# KiCad board ws2812-clock.kicad_pcb (continued)
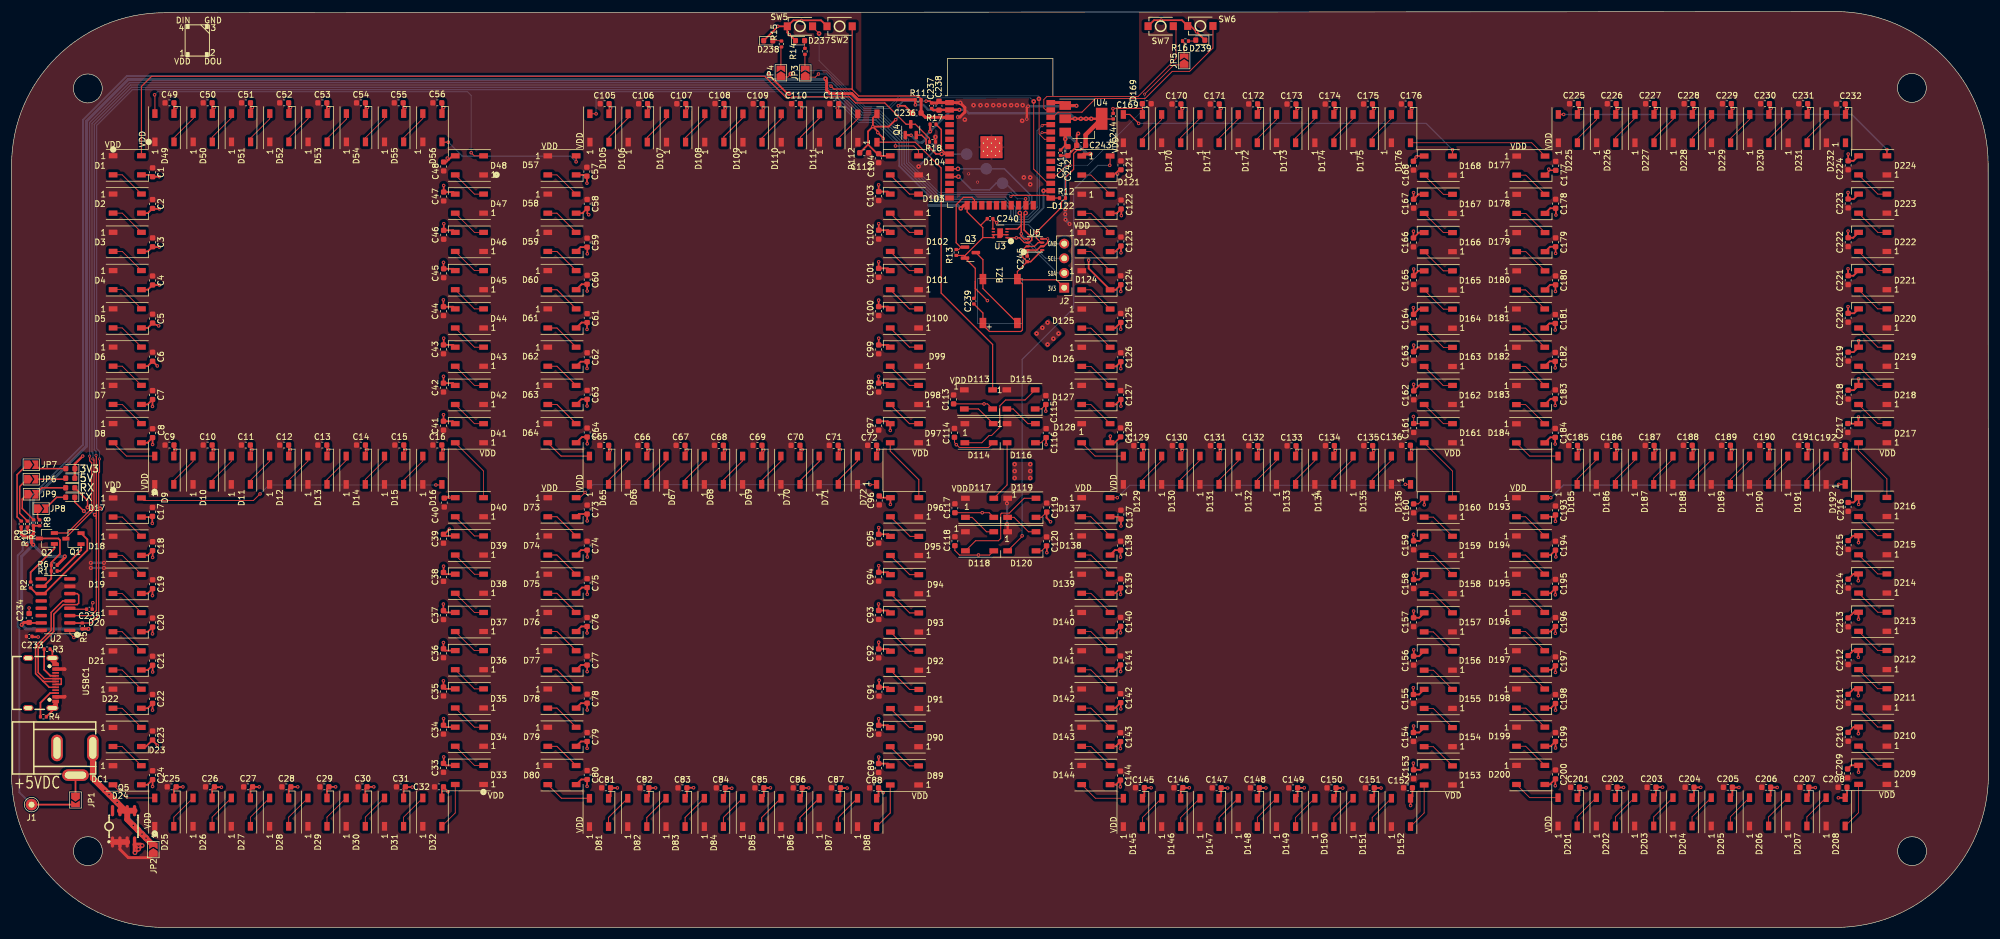
[diagram p0: board, top side]
## Placement (name value [footprint] x y rotation side) (continued)
D116  WS2812B  [LED_WS2812B_PLCC4_5.0x5.0mm_P3.2mm]  174.55 85.5 0 top
D117  WS2812B  [LED_WS2812B_PLCC4_5.0x5.0mm_P3.2mm]  167.35 72.6 0 top
D118  WS2812B  [LED_WS2812B_PLCC4_5.0x5.0mm_P3.2mm]  167.35 66.8 0 top
D119  WS2812B  [LED_WS2812B_PLCC4_5.0x5.0mm_P3.2mm]  174.65 72.6 0 top
D120  WS2812B  [LED_WS2812B_PLCC4_5.0x5.0mm_P3.2mm]  174.65 66.8 0 top
D121  WS2812B  [LED_WS2812B_PLCC4_5.0x5.0mm_P3.2mm]  187.46 131.82 0 top
D122  WS2812B  [LED_WS2812B_PLCC4_5.0x5.0mm_P3.2mm]  187.46 125.2 0 top
D123  WS2812B  [LED_WS2812B_PLCC4_5.0x5.0mm_P3.2mm]  187.46 118.58 0 top
D124  WS2812B  [LED_WS2812B_PLCC4_5.0x5.0mm_P3.2mm]  187.46 111.96 0 top
D125  WS2812B  [LED_WS2812B_PLCC4_5.0x5.0mm_P3.2mm]  187.46 105.34 0 top
D126  WS2812B  [LED_WS2812B_PLCC4_5.0x5.0mm_P3.2mm]  187.46 98.72 0 top
D127  WS2812B  [LED_WS2812B_PLCC4_5.0x5.0mm_P3.2mm]  187.45 92.12 0 top
D128  WS2812B  [LED_WS2812B_PLCC4_5.0x5.0mm_P3.2mm]  187.45 85.5 0 top
D129  WS2812B  [LED_WS2812B_PLCC4_5.0x5.0mm_P3.2mm]  193.85 79.1 90 top
D130  WS2812B  [LED_WS2812B_PLCC4_5.0x5.0mm_P3.2mm]  200.47 79.1 90 top
D131  WS2812B  [LED_WS2812B_PLCC4_5.0x5.0mm_P3.2mm]  207.09 79.1 90 top
D132  WS2812B  [LED_WS2812B_PLCC4_5.0x5.0mm_P3.2mm]  213.71 79.1 90 top
D133  WS2812B  [LED_WS2812B_PLCC4_5.0x5.0mm_P3.2mm]  220.33 79.1 90 top
D134  WS2812B  [LED_WS2812B_PLCC4_5.0x5.0mm_P3.2mm]  226.95 79.1 90 top
D135  WS2812B  [LED_WS2812B_PLCC4_5.0x5.0mm_P3.2mm]  233.57 79.1 90 top
D136  WS2812B  [LED_WS2812B_PLCC4_5.0x5.0mm_P3.2mm]  240.19 79.1 90 top
D137  WS2812B  [LED_WS2812B_PLCC4_5.0x5.0mm_P3.2mm]  187.45 72.7 0 top
D138  WS2812B  [LED_WS2812B_PLCC4_5.0x5.0mm_P3.2mm]  187.45 66.08 0 top
D139  WS2812B  [LED_WS2812B_PLCC4_5.0x5.0mm_P3.2mm]  187.45 59.46 0 top
D140  WS2812B  [LED_WS2812B_PLCC4_5.0x5.0mm_P3.2mm]  187.45 52.84 0 top
D141  WS2812B  [LED_WS2812B_PLCC4_5.0x5.0mm_P3.2mm]  187.45 46.22 0 top
D142  WS2812B  [LED_WS2812B_PLCC4_5.0x5.0mm_P3.2mm]  187.45 39.6 0 top
D143  WS2812B  [LED_WS2812B_PLCC4_5.0x5.0mm_P3.2mm]  187.45 32.98 0 top
D144  WS2812B  [LED_WS2812B_PLCC4_5.0x5.0mm_P3.2mm]  187.45 26.36 0 top
D145  WS2812B  [LED_WS2812B_PLCC4_5.0x5.0mm_P3.2mm]  193.85 19.9 90 top
D146  WS2812B  [LED_WS2812B_PLCC4_5.0x5.0mm_P3.2mm]  200.47 19.9 90 top
D147  WS2812B  [LED_WS2812B_PLCC4_5.0x5.0mm_P3.2mm]  207.09 19.9 90 top
D148  WS2812B  [LED_WS2812B_PLCC4_5.0x5.0mm_P3.2mm]  213.71 19.9 90 top
D149  WS2812B  [LED_WS2812B_PLCC4_5.0x5.0mm_P3.2mm]  220.33 19.9 90 top
D150  WS2812B  [LED_WS2812B_PLCC4_5.0x5.0mm_P3.2mm]  226.95 19.9 90 top
D151  WS2812B  [LED_WS2812B_PLCC4_5.0x5.0mm_P3.2mm]  233.57 19.9 90 top
D152  WS2812B  [LED_WS2812B_PLCC4_5.0x5.0mm_P3.2mm]  240.19 19.9 90 top
D153  WS2812B  [LED_WS2812B_PLCC4_5.0x5.0mm_P3.2mm]  246.65 26.3 180 top
D154  WS2812B  [LED_WS2812B_PLCC4_5.0x5.0mm_P3.2mm]  246.65 32.92 180 top
D155  WS2812B  [LED_WS2812B_PLCC4_5.0x5.0mm_P3.2mm]  246.65 39.54 180 top
D156  WS2812B  [LED_WS2812B_PLCC4_5.0x5.0mm_P3.2mm]  246.65 46.16 180 top
D157  WS2812B  [LED_WS2812B_PLCC4_5.0x5.0mm_P3.2mm]  246.65 52.78 180 top
D158  WS2812B  [LED_WS2812B_PLCC4_5.0x5.0mm_P3.2mm]  246.65 59.4 180 top
D159  WS2812B  [LED_WS2812B_PLCC4_5.0x5.0mm_P3.2mm]  246.65 66.02 180 top
D160  WS2812B  [LED_WS2812B_PLCC4_5.0x5.0mm_P3.2mm]  246.65 72.64 180 top
D161  WS2812B  [LED_WS2812B_PLCC4_5.0x5.0mm_P3.2mm]  246.65 85.5 180 top
D162  WS2812B  [LED_WS2812B_PLCC4_5.0x5.0mm_P3.2mm]  246.65 92.12 180 top
D163  WS2812B  [LED_WS2812B_PLCC4_5.0x5.0mm_P3.2mm]  246.65 98.7 180 top
D164  WS2812B  [LED_WS2812B_PLCC4_5.0x5.0mm_P3.2mm]  246.65 105.32 180 top
D165  WS2812B  [LED_WS2812B_PLCC4_5.0x5.0mm_P3.2mm]  246.65 111.94 180 top
D166  WS2812B  [LED_WS2812B_PLCC4_5.0x5.0mm_P3.2mm]  246.65 118.56 180 top
D167  WS2812B  [LED_WS2812B_PLCC4_5.0x5.0mm_P3.2mm]  246.65 125.18 180 top
D168  WS2812B  [LED_WS2812B_PLCC4_5.0x5.0mm_P3.2mm]  246.65 131.8 180 top
D169  WS2812B  [LED_WS2812B_PLCC4_5.0x5.0mm_P3.2mm]  193.85 138.2 90 top
D170  WS2812B  [LED_WS2812B_PLCC4_5.0x5.0mm_P3.2mm]  200.47 138.2 90 top
D171  WS2812B  [LED_WS2812B_PLCC4_5.0x5.0mm_P3.2mm]  207.09 138.2 90 top
D172  WS2812B  [LED_WS2812B_PLCC4_5.0x5.0mm_P3.2mm]  213.71 138.2 90 top
D173  WS2812B  [LED_WS2812B_PLCC4_5.0x5.0mm_P3.2mm]  220.33 138.2 90 top
D174  WS2812B  [LED_WS2812B_PLCC4_5.0x5.0mm_P3.2mm]  226.95 138.2 90 top
D175  WS2812B  [LED_WS2812B_PLCC4_5.0x5.0mm_P3.2mm]  233.57 138.2 90 top
D176  WS2812B  [LED_WS2812B_PLCC4_5.0x5.0mm_P3.2mm]  240.19 138.2 90 top
D177  WS2812B  [LED_WS2812B_PLCC4_5.0x5.0mm_P3.2mm]  262.65 131.8 0 top
D178  WS2812B  [LED_WS2812B_PLCC4_5.0x5.0mm_P3.2mm]  262.65 125.18 0 top
D179  WS2812B  [LED_WS2812B_PLCC4_5.0x5.0mm_P3.2mm]  262.65 118.56 0 top
D180  WS2812B  [LED_WS2812B_PLCC4_5.0x5.0mm_P3.2mm]  262.65 111.94 0 top
D181  WS2812B  [LED_WS2812B_PLCC4_5.0x5.0mm_P3.2mm]  262.6 105.34 0 top
D182  WS2812B  [LED_WS2812B_PLCC4_5.0x5.0mm_P3.2mm]  262.6 98.72 0 top
D183  WS2812B  [LED_WS2812B_PLCC4_5.0x5.0mm_P3.2mm]  262.6 92.1 0 top
D184  WS2812B  [LED_WS2812B_PLCC4_5.0x5.0mm_P3.2mm]  262.6 85.48 0 top
D185  WS2812B  [LED_WS2812B_PLCC4_5.0x5.0mm_P3.2mm]  269 79.1 90 top
D186  WS2812B  [LED_WS2812B_PLCC4_5.0x5.0mm_P3.2mm]  275.62 79.1 90 top
D187  WS2812B  [LED_WS2812B_PLCC4_5.0x5.0mm_P3.2mm]  282.24 79.1 90 top
D188  WS2812B  [LED_WS2812B_PLCC4_5.0x5.0mm_P3.2mm]  288.86 79.1 90 top
D189  WS2812B  [LED_WS2812B_PLCC4_5.0x5.0mm_P3.2mm]  295.48 79.1 90 top
D190  WS2812B  [LED_WS2812B_PLCC4_5.0x5.0mm_P3.2mm]  302.1 79.1 90 top
D191  WS2812B  [LED_WS2812B_PLCC4_5.0x5.0mm_P3.2mm]  308.72 79.1 90 top
D192  WS2812B  [LED_WS2812B_PLCC4_5.0x5.0mm_P3.2mm]  315.34 79.1 90 top
D193  WS2812B  [LED_WS2812B_PLCC4_5.0x5.0mm_P3.2mm]  262.6 72.7 0 top
D194  WS2812B  [LED_WS2812B_PLCC4_5.0x5.0mm_P3.2mm]  262.6 66.08 0 top
D195  WS2812B  [LED_WS2812B_PLCC4_5.0x5.0mm_P3.2mm]  262.6 59.46 0 top
D196  WS2812B  [LED_WS2812B_PLCC4_5.0x5.0mm_P3.2mm]  262.6 52.84 0 top
D197  WS2812B  [LED_WS2812B_PLCC4_5.0x5.0mm_P3.2mm]  262.6 46.22 0 top
D198  WS2812B  [LED_WS2812B_PLCC4_5.0x5.0mm_P3.2mm]  262.6 39.6 0 top
D199  WS2812B  [LED_WS2812B_PLCC4_5.0x5.0mm_P3.2mm]  262.62 33 0 top
D200  WS2812B  [LED_WS2812B_PLCC4_5.0x5.0mm_P3.2mm]  262.62 26.38 0 top
D201  WS2812B  [LED_WS2812B_PLCC4_5.0x5.0mm_P3.2mm]  269 20 90 top
D202  WS2812B  [LED_WS2812B_PLCC4_5.0x5.0mm_P3.2mm]  275.62 20 90 top
D203  WS2812B  [LED_WS2812B_PLCC4_5.0x5.0mm_P3.2mm]  282.24 20 90 top
D204  WS2812B  [LED_WS2812B_PLCC4_5.0x5.0mm_P3.2mm]  288.86 20 90 top
D205  WS2812B  [LED_WS2812B_PLCC4_5.0x5.0mm_P3.2mm]  295.48 20 90 top
D206  WS2812B  [LED_WS2812B_PLCC4_5.0x5.0mm_P3.2mm]  302.1 20 90 top
D207  WS2812B  [LED_WS2812B_PLCC4_5.0x5.0mm_P3.2mm]  308.72 20 90 top
D208  WS2812B  [LED_WS2812B_PLCC4_5.0x5.0mm_P3.2mm]  315.34 20 90 top
D209  WS2812B  [LED_WS2812B_PLCC4_5.0x5.0mm_P3.2mm]  321.75 26.4 180 top
D210  WS2812B  [LED_WS2812B_PLCC4_5.0x5.0mm_P3.2mm]  321.75 33.02 180 top
D211  WS2812B  [LED_WS2812B_PLCC4_5.0x5.0mm_P3.2mm]  321.75 39.64 180 top
D212  WS2812B  [LED_WS2812B_PLCC4_5.0x5.0mm_P3.2mm]  321.75 46.26 180 top
D213  WS2812B  [LED_WS2812B_PLCC4_5.0x5.0mm_P3.2mm]  321.75 52.88 180 top
D214  WS2812B  [LED_WS2812B_PLCC4_5.0x5.0mm_P3.2mm]  321.75 59.5 180 top
D215  WS2812B  [LED_WS2812B_PLCC4_5.0x5.0mm_P3.2mm]  321.75 66.12 180 top
D216  WS2812B  [LED_WS2812B_PLCC4_5.0x5.0mm_P3.2mm]  321.75 72.74 180 top
D217  WS2812B  [LED_WS2812B_PLCC4_5.0x5.0mm_P3.2mm]  321.75 85.5 180 top
D218  WS2812B  [LED_WS2812B_PLCC4_5.0x5.0mm_P3.2mm]  321.75 92.12 180 top
D219  WS2812B  [LED_WS2812B_PLCC4_5.0x5.0mm_P3.2mm]  321.75 98.74 180 top
D220  WS2812B  [LED_WS2812B_PLCC4_5.0x5.0mm_P3.2mm]  321.75 105.36 180 top
D221  WS2812B  [LED_WS2812B_PLCC4_5.0x5.0mm_P3.2mm]  321.75 111.98 180 top
D222  WS2812B  [LED_WS2812B_PLCC4_5.0x5.0mm_P3.2mm]  321.75 118.6 180 top
D223  WS2812B  [LED_WS2812B_PLCC4_5.0x5.0mm_P3.2mm]  321.75 125.22 180 top
D224  WS2812B  [LED_WS2812B_PLCC4_5.0x5.0mm_P3.2mm]  321.75 131.84 180 top
D225  WS2812B  [LED_WS2812B_PLCC4_5.0x5.0mm_P3.2mm]  269.05 138.2 90 top
D226  WS2812B  [LED_WS2812B_PLCC4_5.0x5.0mm_P3.2mm]  275.67 138.2 90 top
D227  WS2812B  [LED_WS2812B_PLCC4_5.0x5.0mm_P3.2mm]  282.29 138.2 90 top
D228  WS2812B  [LED_WS2812B_PLCC4_5.0x5.0mm_P3.2mm]  288.91 138.2 90 top
D229  WS2812B  [LED_WS2812B_PLCC4_5.0x5.0mm_P3.2mm]  295.53 138.2 90 top
D230  WS2812B  [LED_WS2812B_PLCC4_5.0x5.0mm_P3.2mm]  302.15 138.2 90 top
D231  WS2812B  [LED_WS2812B_PLCC4_5.0x5.0mm_P3.2mm]  308.77 138.2 90 top
D232  WS2812B  [LED_WS2812B_PLCC4_5.0x5.0mm_P3.2mm]  315.39 138.2 90 top
D233  LED  [LED_0603_1608Metric]  10.14 76.06 180 top
D234  LED  [LED_0603_1608Metric]  10.13 74.41 180 top
D235  LED  [LED_0603_1608Metric]  10.16 79.38 180 top
D236  LED5V  [LED_0603_1608Metric]  10.14 77.72 180 top
D237  AP-Status-LED  [LED_0603_1608Metric]  136.31 153.41 0 top
D238  STA-Status-LED  [LED_0603_1608Metric]  130.81 153.41 0 top
D239  Alarm-Status-LED  [LED_0603_1608Metric]  205.5 153.51 180 top
DC1  DC005_C431533  [DC-IN-TH_DC005]  10.95 28.7 0 top
J1  Conn_01x01_Pin  [Pin_D1.0mm_L10.0mm]  3.45 21.25 0 top
J2  Conn_01x04  [PinHeader_1x04_P2.54mm_Vertical]  181.98 110.68 180 top
JP1  SolderJumper_2_Open  [SolderJumper-2_P1.3mm_Open_TrianglePad1.0x1.5mm]  11.05 22.05 270 top
JP2  SolderJumper_2_Open  [SolderJumper-2_P1.3mm_Open_TrianglePad1.0x1.5mm]  24.5 13.45 90 top
JP3  SolderJumper_2_Open  [SolderJumper-2_P1.3mm_Open_TrianglePad1.0x1.5mm]  137.2 147.82 90 top
JP4  SolderJumper_2_Open  [SolderJumper-2_P1.3mm_Open_TrianglePad1.0x1.5mm]  133 147.85 90 top
JP5  SolderJumper_2_Open  [SolderJumper-2_P1.3mm_Open_TrianglePad1.0x1.5mm]  202.7 149.95 90 top
JP6  SolderJumper_2_Open  [SolderJumper-2_P1.3mm_Open_TrianglePad1.0x1.5mm]  3.4 77.55 0 top
JP7  SolderJumper_2_Open  [SolderJumper-2_P1.3mm_Open_TrianglePad1.0x1.5mm]  3.4 80.05 0 top
JP8  SolderJumper_2_Open  [SolderJumper-2_P1.3mm_Open_TrianglePad1.0x1.5mm]  5.1 72.45 0 top
JP9  SolderJumper_2_Open  [SolderJumper-2_P1.3mm_Open_TrianglePad1.0x1.5mm]  3.43 74.95 0 top
LEDS  TestPoint_Probe  [TestPoint_Pad_D2.0mm]  165.12 133.79 180 bottom
Q1  SS8050_C2150  [TSOT-23]  10.7 67.26 180 top
Q2  SS8050_C2150  [TSOT-23]  6.09 67.29 180 top
Q3  2N7002  [SOT-23]  165.76 116.75 0 top
Q4  BSS138  [SOT-23]  155.45 138.01 90 top
Q5  AO4485  [SOIC-8_L5.0-W4.0-P1.27-LS6.0-BL]  19.36 17.49 0 top
R1  12k  [R_0402_1005Metric]  7.37 61.66 0 top
R2  12k  [R_0402_1005Metric]  3.3 59.25 90 top
R3  5k1  [R_0402_1005Metric]  6.14 48.15 0 top
R4  5k1  [R_0402_1005Metric]  5.5 36.45 180 top
R5  10k  [R_0402_1005Metric]  12.22 52.15 270 top
R6  10k  [R_0402_1005Metric]  7.38 62.68 0 top
R7  1k  [R_0402_1005Metric]  3.8 70.01 90 top
R8  1k  [R_0402_1005Metric]  4.84 70 90 top
R9  1k  [R_0402_1005Metric]  1.67 69.79 90 top
R10  1k  [R_0402_1005Metric]  2.76 69.79 90 top
R11  1k  [R_0402_1005Metric]  156.71 143.19 0 top
R12  1k  [R_0402_1005Metric]  181.69 126.19 180 top
R13  10k  [R_0402_1005Metric]  163.31 116.77 90 top
R14  330  [R_0402_1005Metric]  137.15 151.57 270 top
R15  330  [R_0402_1005Metric]  133.09 152.84 270 top
R16  330  [R_0402_1005Metric]  202.94 153.35 180 top
R17  1k  [R_0402_1005Metric]  159.3 138.95 0 top
R18  1k  [R_0402_1005Metric]  159.2 135.9 0 top
SCL  TestPoint_Probe  [TestPoint_Pad_D2.0mm]  171.3 128.75 180 bottom
SDA  TestPoint_Probe  [TestPoint_Pad_D2.0mm]  168.5 131.25 180 bottom
SW2  Reset ESP  [SW-SMD_L3.9-W3.0-P4.45]  143.15 155.9 0 top
SW5  Toggle AP  [SW-SMD_L3.9-W3.0-P4.45]  136.29 155.9 0 top
SW6  Toggle Alarm  [SW-SMD_L3.9-W3.0-P4.45]  205.51 155.95 0 top
SW7  Snooze Alarm  [SW-SMD_L3.9-W3.0-P4.45]  198.65 155.92 0 top
U1  -  [ESP32-WROOM-32D]  170.9 134.45 0 top
U2  CH343G  [SOIC-16_3.9x9.9mm_P1.27mm]  7.6 55.85 180 top
U3  SHT30-DIS  [Sensirion_DFN-8-1EP_2.5x2.5mm_P0.5mm_EP1.1x1.7mm]  170.9 120.1 180 top
U4  AMS1117-3.3  [SOT-223-3_TabPin2]  185.3 139.9 0 top
U5  BME280  [LGA-8_BME280_BL]  176.91 118.16 0 top
USBC1  MC-311D  [USB-C-SMD_MC-311D]  5.25 42.29 270 top

## Library data of the parts
BZ1 = -: Description: Buzzer, polarized; LCSC Part #: C95299
C1-C232 = -: Description: Unpolarized capacitor; LCSC: C14663
C233 C235 = -: Description: Unpolarized capacitor; LCSC Part #: C1525
C234 = -: Description: Unpolarized capacitor; LCSC Part #: C15849
C236 = -: Description: Unpolarized capacitor; LCSC Part #: C96446
C237 C239-C241 C244 C245 = -: Description: Unpolarized capacitor, small symbol; LCSC Part #: C1525
C238 C242 C243 = -: Description: Unpolarized capacitor; LCSC Part #: C19702
D1-D232 = -: Description: RGB LED with integrated controller; LCSC: C2843785
D233 = -: Description: Light emitting diode; Color: White; LCSC Part #: C2290
D234 D237 D238 = -: Description: Light emitting diode; Color: Blue; LCSC Part #: C72041
D235 D239 = -: Description: Light emitting diode; Color: Red; LCSC Part #: C2286
D236 = -: Description: Light emitting diode; Color: Emerald / Green; LCSC Part #: C72043
DC1 = -: LCSC Part: C431533
J1 = -: Description: Generic connector, single row, 01x01, script generated; LCSC: DNP
J2 = -: Description: Generic connector, single row, 01x04, script generated (kicad-library-utils/schlib/autogen/connector/)
JP1-JP9 = -: Description: Solder Jumper, 2-pole, open
LEDS SCL SDA = -: Description: test point (alternative probe-style design)
Q1 Q2 = -: JLC Part: Basic Part; LCSC Part #: C2150; Manufacturer: CJ
Q3 = -: Description: 0.115A Id, 60V Vds, N-Channel MOSFET, SOT-23; LCSC Part #: C8545
Q4 = -: Description: 50V Vds, 0.22A Id, N-Channel MOSFET, SOT-23; LCSC: C112239
Q5 = -: LCSC Part: C51499
R1 R2 = -: Description: Resistor; LCSC Part #: C25752
R3 R4 = -: Description: Resistor; LCSC Part #: C25905
R5 R6 R13 = -: Description: Resistor; LCSC Part #: C25744
R7-R12 R17 R18 = -: Description: Resistor; LCSC Part #: C11702
R14-R16 = -: Description: Resistor; LCSC: C25104
SW2 SW5-SW7 = -: LCSC Part: C455280
U1 = -: Description: RF Module, ESP32-D0WD SoC, Wi-Fi 802.11b/g/n, Bluetooth, BLE, 32-bit, 2.7-3.6V, onboard antenna, SMD; LCSC: C529577
U2 = -: Description: SOP16 USB to UART Bridge IC 6Mbp/s and 1.8-5V IO; LCSC Part #: C2844153
U3 = -: Description: I²C humidity and temperature sensor, ±2%RH, ±0.2°C, DFN-8; LCSC Part #: C77361
U4 = -: Description: 1A Low Dropout regulator, positive, 3.3V fixed output, SOT-223; LCSC: C6186
U5 = -: LCSC Part: C92489
USBC1 = -: JLC Part: Extended Part; LCSC Part #: C136423; Manufacturer: SOFNG

## Footprints (pads in the part's own frame, mm; a bottom-side part is the same pattern mirrored in y, then rotated)
Buzzer
  rect 1.78x1.15 smd: 1(-3.8,2.98) 1(3.8,-2.98) 2(-3.8,-2.98) 2(3.8,2.98)
C_0402_1005Metric
  rrect 0.56x0.62 smd: 1(-0.48,0) 2(0.48,0)
C_0603_1608Metric
  rrect 0.9x0.95 smd: 1(-0.775,0) 2(0.775,0)
DC-IN-TH_DC005
  oval 2x4.6 hole 1.2x3.7: 1(3.1,2.35) 2(-3.1,2.35)
  oval 4.6x2 hole 3.7x1.2: 3(0.1,-2.35)
ESP32-WROOM-32D
  rect 1.5x0.9 smd: 1(-8.75,8.25) 2(-8.75,6.98) 3(-8.75,5.71) 4(-8.75,4.44) 5(-8.75,3.17) 6(-8.75,1.9) 7(-8.75,0.63) 8(-8.75,-0.64) 9(-8.75,-1.91) 10(-8.75,-3.18) 11(-8.75,-4.45) 12(-8.75,-5.72) 13(-8.75,-6.99) 14(-8.75,-8.26) 25(8.75,-8.26) 26(8.75,-6.99) 27(8.75,-5.72) 28(8.75,-4.45) 29(8.75,-3.18) 30(8.75,-1.91) 31(8.75,-0.64) 32(8.75,0.63) 33(8.75,1.9) 34(8.75,3.17) 35(8.75,4.44) 36(8.75,5.71) 37(8.75,6.98) 38(8.75,8.25)
  rect 0.9x1.5 smd: 15(-5.71,-9.51) 16(-4.44,-9.51) 17(-3.17,-9.51) 18(-1.9,-9.51) 19(-0.63,-9.51) 20(0.64,-9.51) 21(1.91,-9.51) 22(3.18,-9.51) 23(4.45,-9.51) 24(5.72,-9.51)
  rect 0.9x0.9 smd: 39(-2.9,1.93) 39(-2.9,0.53) 39(-2.9,-0.87) 39(-1.5,1.93) 39(-1.5,0.53) 39(-1.5,-0.87) 39(-0.1,1.93) 39(-0.1,0.53) 39(-0.1,-0.87)
  round 0.6 hole 0.2: 39(-2.9,1.23) 39(-2.9,-0.17) 39(-2.2,1.93) 39(-2.2,0.53) 39(-2.2,-0.87) 39(-1.525,1.23) 39(-1.525,-0.17) 39(-0.8,1.93) 39(-0.8,0.53) 39(-0.8,-0.87) 39(-0.1,1.23) 39(-0.1,-0.17)
  rect 3.8x3.8 smd: 39(-1.5,0.53)
LED_0603_1608Metric
  rrect 0.875x0.95 smd: 1(-0.787,0) 2(0.787,0)
LED_WS2812B_PLCC4_5.0x5.0mm_P3.2mm
  rect 1.5x0.9 smd: 1(-2.45,1.65) 2(-2.45,-1.65) 3(2.45,-1.65) 4(2.45,1.65)
LGA-8_BME280_BL
  oval 0.77x0.36 smd: 1(-1.26,-0.98) 2(-1.26,-0.33) 3(-1.26,0.32) 4(-1.26,0.98) 5(1.26,0.98) 6(1.26,0.32) 7(1.26,-0.33) 8(1.26,-0.98)
Pin_D1.0mm_L10.0mm
  round 2 hole 1: 1(0,0)
PinHeader_1x04_P2.54mm_Vertical
  rect 1.7x1.7 hole 1: 1(0,0)
  oval 1.7x1.7 hole 1: 2(0,-2.54) 3(0,-5.08) 4(0,-7.62)
R_0402_1005Metric
  rrect 0.54x0.64 smd: 1(-0.51,0) 2(0.51,0)
Sensirion_DFN-8-1EP_2.5x2.5mm_P0.5mm_EP1.1x1.7mm
  custom 0.9x1.6 smd: (0,0)
  rect 0.55x0.25 smd: 1(-1.175,0.75) 2(-1.175,0.25) 3(-1.175,-0.25) 4(-1.175,-0.75) 5(1.175,-0.75) 6(1.175,-0.25) 7(1.175,0.25) 8(1.175,0.75)
  custom 1x1.7 smd: 9(0,0)
SOIC-8_L5.0-W4.0-P1.27-LS6.0-BL
  oval 0.57x1.95 smd: 1(-1.91,-2.71) 2(-0.63,-2.71) 3(0.63,-2.71) 4(1.9,-2.71) 5(1.9,2.71) 6(0.63,2.71) 7(-0.63,2.71) 8(-1.91,2.71)
SOIC-16_3.9x9.9mm_P1.27mm
  rrect 1.95x0.6 smd: 1(-2.475,4.445) 2(-2.475,3.175) 3(-2.475,1.905) 4(-2.475,0.635) 5(-2.475,-0.635) 6(-2.475,-1.905) 7(-2.475,-3.175) 8(-2.475,-4.445) 9(2.475,-4.445) 10(2.475,-3.175) 11(2.475,-1.905) 12(2.475,-0.635) 13(2.475,0.635) 14(2.475,1.905) 15(2.475,3.175) 16(2.475,4.445)
SolderJumper-2_P1.3mm_Open_TrianglePad1.0x1.5mm
  custom 1.5x1.5 smd: 1(-0.725,0)
  custom 1.15x1.5 smd: 2(0.725,0)
SOT-23
  rrect 1.475x0.6 smd: 1(-0.938,0.95) 2(-0.938,-0.95) 3(0.938,0)
SOT-223-3_TabPin2
  rect 2x1.5 smd: 1(-3.15,2.3) 2(-3.15,0) 3(-3.15,-2.3)
  rect 2x3.8 smd: 2(3.15,0)
SW-SMD_L3.9-W3.0-P4.45
  rect 1.23x1.36 smd: 1(-2.18,0) 2(2.18,0)
TestPoint_Pad_D2.0mm
  round 2 smd: 1(0,0)
TSOT-23
  rect 1.22x0.65 smd: 1(-1.31,0.95) 2(-1.31,-0.95) 3(1.31,0)
USB-C-SMD_MC-311D
  round 0.65 hole 0.65: (-2.89,1.31) (2.89,1.31)
  oval 1x2.1 hole 0.6x1.7: 1(-4.32,1.81) 4(4.32,1.81)
  oval 1x1.8 hole 0.6x1.4: 2(-4.32,-2.37) 3(4.32,-2.37)
  rect 0.6x1.15 smd: A1-B12(-3.2,2.37) A4-B9(-2.4,2.37) B1-A12(3.2,2.37) B4-A9(2.4,2.37)
  rect 0.3x1.15 smd: A5(-1.25,2.37) A6(-0.25,2.37) A7(0.25,2.37) A8(1.25,2.37) B5(1.75,2.37) B6(0.75,2.37) B7(-0.75,2.37) B8(-1.75,2.37)

## Nets
+3.3V: BZ1.1 C234.2 C237.2 C238.2 C239.2 C240.1 C243.1 C244.1 C245.1 J2.1 Q4.1 R5.2 R6.2 R7.1 R8.1 R9.1 R11.1 R12.1 R17.1 U1.2 U2.15 U3.5 U4.2 U5.2 U5.6 U5.8
+5V: C1.1 C2.1 C3.1 C4.1 C5.1 C6.1 C7.1 C8.1 C9.1 C10.1 C11.1 C12.1 C13.1 C14.1 C15.1 C16.1 C17.1 C18.1 C19.1 C20.1 C21.1 C22.1 C23.1 C24.1 C25.1 C26.1 C27.1 C28.1 C29.1 C30.1 C31.1 C32.1 C33.1 C34.1 C35.1 C36.1 C37.1 C38.1 C39.1 C40.1 C41.1 C42.1 C43.1 C44.1 C45.1 C46.1 C47.1 C48.1 C49.1 C50.1 C51.1 C52.1 C53.1 C54.1 C55.1 C56.1 C57.1 C58.1 C59.1 C60.1 C61.1 C62.1 C63.1 C64.1 C65.1 C66.1 C67.1 C68.1 C69.1 C70.1 C71.1 C72.1 C73.1 C74.1 C75.1 C76.1 C77.1 C78.1 C79.1 C80.1 C81.1 C82.1 C83.1 C84.1 C85.1 C86.1 C87.1 C88.1 C89.1 C90.1 C91.1 C92.1 C93.1 C94.1 C95.1 C96.1 C97.1 C98.1 C99.1 C100.1 C101.1 C102.1 C103.1 C104.1 C105.1 C106.1 C107.1 C108.1 C109.1 C110.1 C111.1 C112.1 C113.1 C114.1 C115.1 C116.1 C117.1 C118.1 C119.1 C120.1 C121.1 C122.1 C123.1 C124.1 C125.1 C126.1 C127.1 C128.1 C129.1 C130.1 C131.1 C132.1 C133.1 C134.1 C135.1 C136.1 C137.1 C138.1 C139.1 C140.1 C141.1 C142.1 C143.1 C144.1 C145.1 C146.1 C147.1 C148.1 C149.1 C150.1 C151.1 C152.1 C153.1 C154.1 C155.1 C156.1 C157.1 C158.1 C159.1 C160.1 C161.1 C162.1 C163.1 C164.1 C165.1 C166.1 C167.1 C168.1 C169.1 C170.1 C171.1 C172.1 C173.1 C174.1 C175.1 C176.1 C177.1 C178.1 C179.1 C180.1 C181.1 C182.1 C183.1 C184.1 C185.1 C186.1 C187.1 C188.1 C189.1 C190.1 C191.1 C192.1 C193.1 C194.1 C195.1 C196.1 C197.1 C198.1 C199.1 C200.1 C201.1 C202.1 C203.1 C204.1 C205.1 C206.1 C207.1 C208.1 C209.1 C210.1 C211.1 C212.1 C213.1 C214.1 C215.1 C216.1 C217.1 C218.1 C219.1 C220.1 C221.1 C222.1 C223.1 C224.1 C225.1 C226.1 C227.1 C228.1 C229.1 C230.1 C231.1 C232.1 C233.2 C241.2 C242.2 D1.1 D2.1 D3.1 D4.1 D5.1 D6.1 D7.1 D8.1 D9.1 D10.1 D11.1 D12.1 D13.1 D14.1 D15.1 D16.1 D17.1 D18.1 D19.1 D20.1 D21.1 D22.1 D23.1 D24.1 D25.1 D26.1 D27.1 D28.1 D29.1 D30.1 D31.1 D32.1 D33.1 D34.1 D35.1 D36.1 D37.1 D38.1 D39.1 D40.1 D41.1 D42.1 D43.1 D44.1 D45.1 D46.1 D47.1 D48.1 D49.1 D50.1 D51.1 D52.1 D53.1 D54.1 D55.1 D56.1 D57.1 D58.1 D59.1 D60.1 D61.1 D62.1 D63.1 D64.1 D65.1 D66.1 D67.1 D68.1 D69.1 D70.1 D71.1 D72.1 D73.1 D74.1 D75.1 D76.1 D77.1 D78.1 D79.1 D80.1 D81.1 D82.1 D83.1 D84.1 D85.1 D86.1 D87.1 D88.1 D89.1 D90.1 D91.1 D92.1 D93.1 D94.1 D95.1 D96.1 D97.1 D98.1 D99.1 D100.1 D101.1 D102.1 D103.1 D104.1 D105.1 D106.1 D107.1 D108.1 D109.1 D110.1 D111.1 D112.1 D113.1 D114.1 D115.1 D116.1 D117.1 D118.1 D119.1 D120.1 D121.1 D122.1 D123.1 D124.1 D125.1 D126.1 D127.1 D128.1 D129.1 D130.1 D131.1 D132.1 D133.1 D134.1 D135.1 D136.1 D137.1 D138.1 D139.1 D140.1 D141.1 D142.1 D143.1 D144.1 D145.1 D146.1 D147.1 D148.1 D149.1 D150.1 D151.1 D152.1 D153.1 D154.1 D155.1 D156.1 D157.1 D158.1 D159.1 D160.1 D161.1 D162.1 D163.1 D164.1 D165.1 D166.1 D167.1 D168.1 D169.1 D170.1 D171.1 D172.1 D173.1 D174.1 D175.1 D176.1 D177.1 D178.1 D179.1 D180.1 D181.1 D182.1 D183.1 D184.1 D185.1 D186.1 D187.1 D188.1 D189.1 D190.1 D191.1 D192.1 D193.1 D194.1 D195.1 D196.1 D197.1 D198.1 D199.1 D200.1 D201.1 D202.1 D203.1 D204.1 D205.1 D206.1 D207.1 D208.1 D209.1 D210.1 D211.1 D212.1 D213.1 D214.1 D215.1 D216.1 D217.1 D218.1 D219.1 D220.1 D221.1 D222.1 D223.1 D224.1 D225.1 D226.1 D227.1 D228.1 D229.1 D230.1 D231.1 D232.1 JP2.1 Q5.1 Q5.2 Q5.3 R10.1 R18.2 U2.7 U2.16 U4.3 USBC1.A4-B9 USBC1.B4-A9
GND: C1.2 C2.2 C3.2 C4.2 C5.2 C6.2 C7.2 C8.2 C9.2 C10.2 C11.2 C12.2 C13.2 C14.2 C15.2 C16.2 C17.2 C18.2 C19.2 C20.2 C21.2 C22.2 C23.2 C24.2 C25.2 C26.2 C27.2 C28.2 C29.2 C30.2 C31.2 C32.2 C33.2 C34.2 C35.2 C36.2 C37.2 C38.2 C39.2 C40.2 C41.2 C42.2 C43.2 C44.2 C45.2 C46.2 C47.2 C48.2 C49.2 C50.2 C51.2 C52.2 C53.2 C54.2 C55.2 C56.2 C57.2 C58.2 C59.2 C60.2 C61.2 C62.2 C63.2 C64.2 C65.2 C66.2 C67.2 C68.2 C69.2 C70.2 C71.2 C72.2 C73.2 C74.2 C75.2 C76.2 C77.2 C78.2 C79.2 C80.2 C81.2 C82.2 C83.2 C84.2 C85.2 C86.2 C87.2 C88.2 C89.2 C90.2 C91.2 C92.2 C93.2 C94.2 C95.2 C96.2 C97.2 C98.2 C99.2 C100.2 C101.2 C102.2 C103.2 C104.2 C105.2 C106.2 C107.2 C108.2 C109.2 C110.2 C111.2 C112.2 C113.2 C114.2 C115.2 C116.2 C117.2 C118.2 C119.2 C120.2 C121.2 C122.2 C123.2 C124.2 C125.2 C126.2 C127.2 C128.2 C129.2 C130.2 C131.2 C132.2 C133.2 C134.2 C135.2 C136.2 C137.2 C138.2 C139.2 C140.2 C141.2 C142.2 C143.2 C144.2 C145.2 C146.2 C147.2 C148.2 C149.2 C150.2 C151.2 C152.2 C153.2 C154.2 C155.2 C156.2 C157.2 C158.2 C159.2 C160.2 C161.2 C162.2 C163.2 C164.2 C165.2 C166.2 C167.2 C168.2 C169.2 C170.2 C171.2 C172.2 C173.2 C174.2 C175.2 C176.2 C177.2 C178.2 C179.2 C180.2 C181.2 C182.2 C183.2 C184.2 C185.2 C186.2 C187.2 C188.2 C189.2 C190.2 C191.2 C192.2 C193.2 C194.2 C195.2 C196.2 C197.2 C198.2 C199.2 C200.2 C201.2 C202.2 C203.2 C204.2 C205.2 C206.2 C207.2 C208.2 C209.2 C210.2 C211.2 C212.2 C213.2 C214.2 C215.2 C216.2 C217.2 C218.2 C219.2 C220.2 C221.2 C222.2 C223.2 C224.2 C225.2 C226.2 C227.2 C228.2 C229.2 C230.2 C231.2 C232.2 C233.1 C234.1 C235.1 C236.1 C237.1 C238.1 C239.1 C240.2 C241.1 C242.1 C243.2 C244.2 C245.2 D1.3 D2.3 D3.3 D4.3 D5.3 D6.3 D7.3 D8.3 D9.3 D10.3 D11.3 D12.3 D13.3 D14.3 D15.3 D16.3 D17.3 D18.3 D19.3 D20.3 D21.3 D22.3 D23.3 D24.3 D25.3 D26.3 D27.3 D28.3 D29.3 D30.3 D31.3 D32.3 D33.3 D34.3 D35.3 D36.3 D37.3 D38.3 D39.3 D40.3 D41.3 D42.3 D43.3 D44.3 D45.3 D46.3 D47.3 D48.3 D49.3 D50.3 D51.3 D52.3 D53.3 D54.3 D55.3 D56.3 D57.3 D58.3 D59.3 D60.3 D61.3 D62.3 D63.3 D64.3 D65.3 D66.3 D67.3 D68.3 D69.3 D70.3 D71.3 D72.3 D73.3 D74.3 D75.3 D76.3 D77.3 D78.3 D79.3 D80.3 D81.3 D82.3 D83.3 D84.3 D85.3 D86.3 D87.3 D88.3 D89.3 D90.3 D91.3 D92.3 D93.3 D94.3 D95.3 D96.3 D97.3 D98.3 D99.3 D100.3 D101.3 D102.3 D103.3 D104.3 D105.3 D106.3 D107.3 D108.3 D109.3 D110.3 D111.3 D112.3 D113.3 D114.3 D115.3 D116.3 D117.3 D118.3 D119.3 D120.3 D121.3 D122.3 D123.3 D124.3 D125.3 D126.3 D127.3 D128.3 D129.3 D130.3 D131.3 D132.3 D133.3 D134.3 D135.3 D136.3 D137.3 D138.3 D139.3 D140.3 D141.3 D142.3 D143.3 D144.3 D145.3 D146.3 D147.3 D148.3 D149.3 D150.3 D151.3 D152.3 D153.3 D154.3 D155.3 D156.3 D157.3 D158.3 D159.3 D160.3 D161.3 D162.3 D163.3 D164.3 D165.3 D166.3 D167.3 D168.3 D169.3 D170.3 D171.3 D172.3 D173.3 D174.3 D175.3 D176.3 D177.3 D178.3 D179.3 D180.3 D181.3 D182.3 D183.3 D184.3 D185.3 D186.3 D187.3 D188.3 D189.3 D190.3 D191.3 D192.3 D193.3 D194.3 D195.3 D196.3 D197.3 D198.3 D199.3 D200.3 D201.3 D202.3 D203.3 D204.3 D205.3 D206.3 D207.3 D208.3 D209.3 D210.3 D211.3 D212.3 D213.3 D214.3 D215.3 D216.3 D217.3 D218.3 D219.3 D220.3 D221.3 D222.3 D223.3 D224.3 D225.3 D226.3 D227.3 D228.3 D229.3 D230.3 D231.3 D232.3 D235.1 D236.1 D237.1 D238.1 D239.1 DC1.2 J2.4 Q3.2 Q5.4 R3.2 R4.1 R13.1 SW2.1 SW5.1 SW6.1 SW7.1 U1.1 U1.15 U1.38 U1.39 U2.1 U3.2 U3.7 U3.8 U3.9 U4.1 U5.1 U5.5 U5.7 USBC1.1 USBC1.2 USBC1.3 USBC1.4 USBC1.A1-B12 USBC1.B1-A12
/ALARM_STATUS_LED: JP5.1 U1.28
/AP_STATUS_LED: JP3.1 U1.23
/BARREL_JACK_STATUS: J1.1 JP1.2 U1.26
/BEEPER: Q3.1 R13.2 U1.16
/EN: C236.2 Q1.3 R11.2 SW2.2 U1.3
/ESP_RX: D233.1 R5.1 U1.34 U2.2
/ESP_TX: D234.1 U1.35 U2.3
/Flasher/DTR: Q2.3 R1.1 R6.1 U2.10
/Flasher/RTS: Q1.2 R2.1 U2.11
/Flasher/USB_DN: U2.6 USBC1.A7 USBC1.B7
/Flasher/USB_DP: U2.5 USBC1.A6 USBC1.B6
/IO0: Q2.2 R12.2 U1.25
/LEDS: LEDS.1 Q4.2 R17.2 U1.8
/SCL: J2.3 SCL.1 U1.11 U3.4 U5.4
/SDA: J2.2 SDA.1 U1.10 U3.1 U5.3
/SNOOZE_ALARM: SW7.2 U1.37
/STA_STATUS_LED: JP4.1 U1.27
/TOGGLE_ALARM: SW6.2 U1.36
/TOGGLE_AP: SW5.2 U1.33
Net-(BZ1-+): BZ1.2 Q3.3
Net-(D1-DIN): D1.4 Q4.3 R18.1
Net-(D1-DOUT): D1.2 D2.4
Net-(D2-DOUT): D2.2 D3.4
Net-(D3-DOUT): D3.2 D4.4
Net-(D4-DOUT): D4.2 D5.4
Net-(D5-DOUT): D5.2 D6.4
Net-(D6-DOUT): D6.2 D7.4
Net-(D7-DOUT): D7.2 D8.4
Net-(D8-DOUT): D8.2 D9.4
Net-(D10-DIN): D9.2 D10.4
Net-(D10-DOUT): D10.2 D11.4
Net-(D11-DOUT): D11.2 D12.4
Net-(D12-DOUT): D12.2 D13.4
Net-(D13-DOUT): D13.2 D14.4
Net-(D14-DOUT): D14.2 D15.4
Net-(D15-DOUT): D15.2 D16.4
Net-(D16-DOUT): D16.2 D17.4
Net-(D17-DOUT): D17.2 D18.4
Net-(D18-DOUT): D18.2 D19.4
Net-(D19-DOUT): D19.2 D20.4
Net-(D20-DOUT): D20.2 D21.4
Net-(D21-DOUT): D21.2 D22.4
Net-(D22-DOUT): D22.2 D23.4
Net-(D23-DOUT): D23.2 D24.4
Net-(D24-DOUT): D24.2 D25.4
Net-(D25-DOUT): D25.2 D26.4
Net-(D26-DOUT): D26.2 D27.4
Net-(D27-DOUT): D27.2 D28.4
Net-(D28-DOUT): D28.2 D29.4
Net-(D29-DOUT): D29.2 D30.4
Net-(D30-DOUT): D30.2 D31.4
Net-(D31-DOUT): D31.2 D32.4
Net-(D32-DOUT): D32.2 D33.4
Net-(D33-DOUT): D33.2 D34.4
Net-(D34-DOUT): D34.2 D35.4
Net-(D35-DOUT): D35.2 D36.4
Net-(D36-DOUT): D36.2 D37.4
Net-(D37-DOUT): D37.2 D38.4
Net-(D38-DOUT): D38.2 D39.4
Net-(D39-DOUT): D39.2 D40.4
Net-(D40-DOUT): D40.2 D41.4
Net-(D41-DOUT): D41.2 D42.4
Net-(D42-DOUT): D42.2 D43.4
Net-(D43-DOUT): D43.2 D44.4
Net-(D44-DOUT): D44.2 D45.4
Net-(D45-DOUT): D45.2 D46.4
Net-(D46-DOUT): D46.2 D47.4
Net-(D47-DOUT): D47.2 D48.4
Net-(D48-DOUT): D48.2 D49.4
Net-(D49-DOUT): D49.2 D50.4
Net-(D50-DOUT): D50.2 D51.4
Net-(D51-DOUT): D51.2 D52.4
Net-(D52-DOUT): D52.2 D53.4
Net-(D53-DOUT): D53.2 D54.4
Net-(D54-DOUT): D54.2 D55.4
Net-(D55-DOUT): D55.2 D56.4
Net-(D56-DOUT): D56.2 D57.4
Net-(D57-DOUT): D57.2 D58.4
Net-(D58-DOUT): D58.2 D59.4
Net-(D59-DOUT): D59.2 D60.4
Net-(D60-DOUT): D60.2 D61.4
Net-(D61-DOUT): D61.2 D62.4
Net-(D62-DOUT): D62.2 D63.4
Net-(D63-DOUT): D63.2 D64.4
Net-(D64-DOUT): D64.2 D65.4
Net-(D65-DOUT): D65.2 D66.4
Net-(D66-DOUT): D66.2 D67.4
Net-(D67-DOUT): D67.2 D68.4
Net-(D68-DOUT): D68.2 D69.4
Net-(D69-DOUT): D69.2 D70.4
Net-(D70-DOUT): D70.2 D71.4
Net-(D71-DOUT): D71.2 D72.4
Net-(D72-DOUT): D72.2 D73.4
Net-(D73-DOUT): D73.2 D74.4
Net-(D74-DOUT): D74.2 D75.4
Net-(D75-DOUT): D75.2 D76.4
Net-(D76-DOUT): D76.2 D77.4
Net-(D77-DOUT): D77.2 D78.4
Net-(D78-DOUT): D78.2 D79.4
Net-(D79-DOUT): D79.2 D80.4
Net-(D80-DOUT): D80.2 D81.4
Net-(D81-DOUT): D81.2 D82.4
Net-(D82-DOUT): D82.2 D83.4
Net-(D83-DOUT): D83.2 D84.4
Net-(D84-DOUT): D84.2 D85.4
Net-(D85-DOUT): D85.2 D86.4
Net-(D86-DOUT): D86.2 D87.4
Net-(D87-DOUT): D87.2 D88.4
Net-(D88-DOUT): D88.2 D89.4
Net-(D89-DOUT): D89.2 D90.4
Net-(D90-DOUT): D90.2 D91.4
Net-(D91-DOUT): D91.2 D92.4
Net-(D92-DOUT): D92.2 D93.4
Net-(D93-DOUT): D93.2 D94.4
Net-(D94-DOUT): D94.2 D95.4
Net-(D95-DOUT): D95.2 D96.4
Net-(D96-DOUT): D96.2 D97.4
Net-(D97-DOUT): D97.2 D98.4
Net-(D98-DOUT): D98.2 D99.4
Net-(D100-DIN): D99.2 D100.4
Net-(D100-DOUT): D100.2 D101.4
Net-(D101-DOUT): D101.2 D102.4
Net-(D102-DOUT): D102.2 D103.4
Net-(D103-DOUT): D103.2 D104.4
Net-(D104-DOUT): D104.2 D105.4
Net-(D105-DOUT): D105.2 D106.4
Net-(D106-DOUT): D106.2 D107.4
Net-(D107-DOUT): D107.2 D108.4
Net-(D108-DOUT): D108.2 D109.4
Net-(D109-DOUT): D109.2 D110.4
Net-(D110-DOUT): D110.2 D111.4
Net-(D111-DOUT): D111.2 D112.4
Net-(D112-DOUT): D112.2 D113.4
Net-(D113-DOUT): D113.2 D114.4
Net-(D114-DOUT): D114.2 D115.4
Net-(D115-DOUT): D115.2 D116.4
Net-(D116-DOUT): D116.2 D117.4
Net-(D117-DOUT): D117.2 D118.4
